# Allegro board 6089-103-RevB_76.brd (continued)
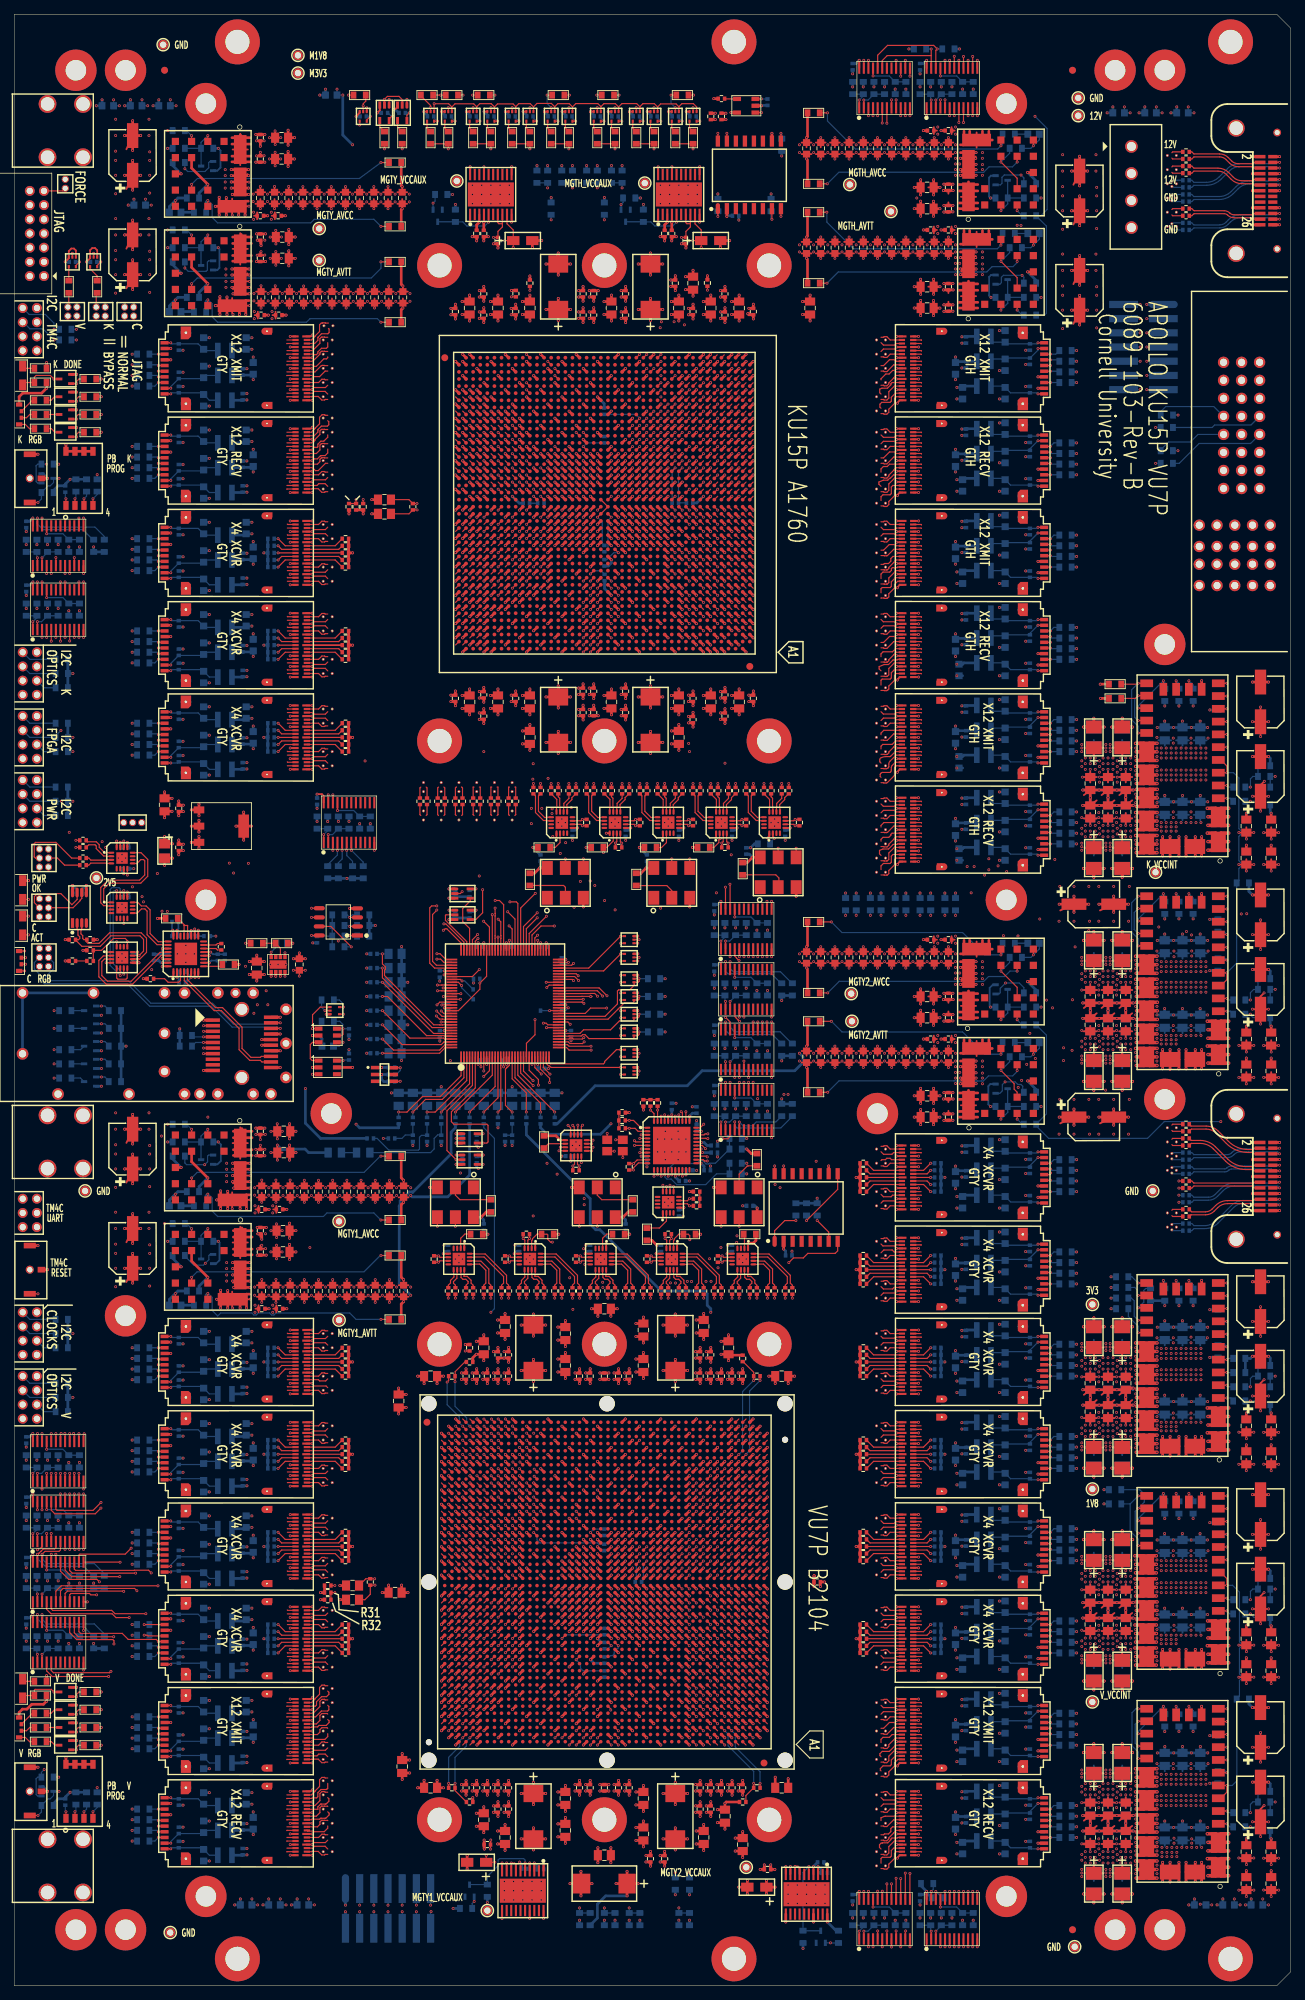
[diagram p0: board, top side]
## Placement (name value [footprint] x y rotation side) (continued)
C684  0.1 UF  [CAPC_EIA0402]  134.2 88.4 270 bottom
C685  0.1 UF  [CAPC_EIA0402]  134.2 78.9 270 bottom
C686  0.1 UF  [CAPC_EIA0402]  134.2 75.4 270 bottom
C687  0.1 UF  [CAPC_EIA0402]  134.2 65.9 270 bottom
C688  0.1 UF  [CAPC_EIA0402]  134.2 62.4 270 bottom
C689  0.1 UF  [CAPC_EIA0402]  134.2 52.9 270 bottom
C690  0.1 UF  [CAPC_EIA0402]  134.2 49.4 270 bottom
C691  0.1 UF  [CAPC_EIA0402]  134.2 39.9 270 bottom
C692  0.1 UF  [CAPC_EIA0402]  134.2 36.4 270 bottom
C693  0.1 UF  [CAPC_EIA0402]  134.2 26.9 270 bottom
C694  0.1 UF  [CAPC_EIA0402]  134.2 23.4 270 bottom
C695  22 UF  [CAPC_EIA0603]  133.7 224.4 270 bottom
C696  22 UF  [CAPC_EIA0603]  133.7 211.4 270 bottom
C697  22 UF  [CAPC_EIA0603]  133.7 198.4 270 bottom
C698  22 UF  [CAPC_EIA0603]  133.7 110.4 270 bottom
C699  22 UF  [CAPC_EIA0603]  133.7 97.4 270 bottom
C700  22 UF  [CAPC_EIA0603]  133.7 84.4 270 bottom
C701  22 UF  [CAPC_EIA0603]  133.7 71.4 270 bottom
C702  22 UF  [CAPC_EIA0603]  133.7 58.4 270 bottom
C703  22 UF  [CAPC_EIA0603]  133.7 45.4 270 bottom
C704  22 UF  [CAPC_EIA0603]  133.7 32.4 270 bottom
C705  22 UF  [CAPC_EIA0603]  133.7 19.4 270 bottom
C706  22 UF  [CAPC_EIA0603]  133.2 185.4 270 bottom
C707  22 UF  [CAPC_EIA0603]  133.2 172.4 270 bottom
C708  22 UF  [CAPC_EIA0603]  133.2 159.4 270 bottom
C709  22 UF  [CAPC_EIA0603]  132.7 227.9 270 bottom
C710  22 UF  [CAPC_EIA0603]  132.7 214.9 270 bottom
C711  22 UF  [CAPC_EIA0603]  132.7 201.9 270 bottom
C712  22 UF  [CAPC_EIA0603]  132.7 188.9 270 bottom
C713  22 UF  [CAPC_EIA0603]  132.7 175.9 270 bottom
C714  22 UF  [CAPC_EIA0603]  132.7 162.9 270 bottom
C715  22 UF  [CAPC_EIA0603]  132.7 113.9 270 bottom
C716  22 UF  [CAPC_EIA0603]  132.7 100.9 270 bottom
C717  22 UF  [CAPC_EIA0603]  132.7 87.9 270 bottom
C718  22 UF  [CAPC_EIA0603]  132.7 74.9 270 bottom
C719  22 UF  [CAPC_EIA0603]  132.7 61.9 270 bottom
C720  22 UF  [CAPC_EIA0603]  132.7 48.9 270 bottom
C721  22 UF  [CAPC_EIA0603]  132.7 35.9 270 bottom
C722  22 UF  [CAPC_EIA0603]  132.7 22.9 270 bottom
C723  0.1 UF  [CAPC_EIA0402]  127.7 270.4 270 bottom
C724  0.1 UF  [CAPC_EIA0402]  127.7 12.4 270 bottom
C725  0.1 UF  [CAPC_EIA0402]  118.2 270.4 270 bottom
C726  0.1 UF  [CAPC_EIA0402]  118.2 12.4 270 bottom
C727  4.7 UF  [CAPC_EIA0402]  114.2 15.9 0 bottom
C728  0.1 UF  [CAPC_EIA0402]  113.7 17.4 0 bottom
C729  0.1 UF  [CAPC_EIA0402]  109.2 102.9 0 bottom
C730  1 UF  [CAPC_EIA0402]  108.7 162.4 270 bottom
C731  4.7 UF  [CAPC_EIA0402]  106.2 265.4 270 bottom
C732  0.1 UF  [CAPC_EIA0402]  104.7 265.4 270 bottom
C733  0.1 UF  [CAPC_EIA0402]  103.7 109.9 180 bottom
C734  0.1 UF  [CAPC_EIA0402]  103.2 159.9 90 bottom
C735  0.1 UF  [CAPC_EIA0402]  101.7 249.4 0 bottom
C736  1 UF  [CAPC_EIA0402]  101.2 162.4 270 bottom
C737  1 UF  [CAPC_EIA0402]  101.2 103.9 90 bottom
C738  0.1 UF  [CAPC_EIA0402]  98.7 151.9 270 bottom
C739  0.1 UF  [CAPC_EIA0402]  98.7 143.4 270 bottom
C740  0.1 UF  [CAPC_EIA0402]  98.7 134.9 270 bottom
C741  0.1 UF  [CAPC_EIA0402]  98.7 126.4 270 bottom
C742  1 UF  [CAPC_EIA0402]  98.7 118.4 0 bottom
C743  1 UF  [CAPC_EIA0402]  98.7 117.4 0 bottom
C744  1 UF  [CAPC_EIA0402]  97.7 114.9 0 bottom
C745  1 UF  [CAPC_EIA0402]  96.2 123.4 90 bottom
C746  1 UF  [CAPC_EIA0402]  96.2 120.9 90 bottom
C747  0.1 UF  [CAPC_EIA0402]  95.7 263.4 180 bottom
C748  1 UF  [CAPC_EIA0402]  95.2 114.9 0 bottom
C749  1 UF  [CAPC_EIA0402]  94.2 113.4 0 bottom
C750  1 UF  [CAPC_EIA0402]  93.7 162.4 270 bottom
C751  1 UF  [CAPC_EIA0402]  93.7 108.9 270 bottom
C752  0.1 UF  [CAPC_EIA0402]  93.2 263.4 180 bottom
C753  1 UF  [CAPC_EIA0402]  92.7 123.9 90 bottom
C754  1 UF  [CAPC_EIA0402]  91.2 103.9 90 bottom
C755  0.1 UF  [CAPC_EIA0402]  90.2 263.4 180 bottom
C756  0.1 UF  [CAPC_EIA0402]  89.2 158.9 90 bottom
C757  1 UF  [CAPC_EIA0402]  89.2 116.4 270 bottom
C758  0.1 UF  [CAPC_EIA0402]  87.7 263.4 180 bottom
C759  1 UF  [CAPC_EIA0402]  86.2 162.4 270 bottom
C760  0.1 UF  [CAPC_EIA0402]  86.2 106.9 270 bottom
C761  0.1 UF  [CAPC_EIA0402]  84.7 263.4 180 bottom
C762  0.1 UF  [CAPC_EIA0402]  82.2 263.4 180 bottom
C763  1 UF  [CAPC_EIA0402]  81.2 103.9 90 bottom
C764  1 UF  [CAPC_EIA0402]  78.7 162.4 270 bottom
C765  0.1 UF  [CAPC_EIA0402]  78.5 134.16 270 bottom
C766  0.1 UF  [CAPC_EIA0402]  78.2 263.4 180 bottom
C767  1 UF  [CAPC_EIA0402]  78.2 116.9 180 bottom
C768  0.1 UF  [CAPC_EIA0402]  77.2 144.4 90 bottom
C769  0.1 UF  [CAPC_EIA0402]  77.2 137.9 90 bottom
C770  0.1 UF  [CAPC_EIA0805]  76.2 124.9 90 bottom
C771  0.1 UF  [CAPC_EIA0402]  75.7 263.4 180 bottom
C772  0.1 UF  [CAPC_EIA0402]  74.7 146.4 0 bottom
C773  0.1 UF  [CAPC_EIA0402]  74.3 129.24 0 bottom
C774  0.1 UF  [CAPC_EIA0402]  74.2 158.9 90 bottom
C775  0.1 UF  [CAPC_EIA0805]  74.2 124.9 90 bottom
C776  4.7 UF  [CAPC_EIA0402]  74.2 16.4 0 bottom
C777  0.1 UF  [CAPC_EIA0402]  72 16.5 180 bottom
C778  0.1 UF  [CAPC_EIA0402]  72.7 263.4 180 bottom
C779  0.1 UF  [CAPC_EIA0805]  72.2 124.9 90 bottom
C780  1 UF  [CAPC_EIA0402]  71.2 103.9 90 bottom
C781  0.1 UF  [CAPC_EIA0402]  70.2 263.4 180 bottom
C782  0.1 UF  [CAPC_EIA0805]  70.2 124.9 90 bottom
C783  0.1 UF  [CAPC_EIA0402]  69.7 146.4 180 bottom
C784  0.1 UF  [CAPC_EIA0402]  69.2 130.4 0 bottom
C785  0.1 UF  [CAPC_EIA0805]  68.2 124.9 90 bottom
C786  0.1 UF  [CAPC_EIA0402]  67.2 263.4 180 bottom
C787  0.1 UF  [CAPC_EIA0402]  66.2 130.4 0 bottom
C788  0.1 UF  [CAPC_EIA0805]  66.2 124.9 90 bottom
C789  0.1 UF  [CAPC_EIA0402]  66.2 106.9 270 bottom
C790  0.1 UF  [CAPC_EIA0402]  65.7 146.4 0 bottom
C791  3.3 UF  [CAPC_EIA0402]  65.2 141.9 180 bottom
C792  0.1 UF  [CAPC_EIA0402]  65.2 119.4 270 bottom
C793  0.1 UF  [CAPC_EIA0402]  65.2 116.4 270 bottom
C794  0.1 UF  [CAPC_EIA0402]  64.7 263.4 180 bottom
C795  0.1 UF  [CAPC_EIA0402]  64.2 153.9 270 bottom
C796  0.1 UF  [CAPC_EIA0402]  64.2 150.9 270 bottom
C797  0.1 UF  [CAPC_EIA0805]  64.2 124.9 90 bottom
C798  0.1 UF  [CAPC_EIA0402]  63.2 119.4 270 bottom
C799  0.1 UF  [CAPC_EIA0402]  63.2 116.4 270 bottom
C800  0.1 UF  [CAPC_EIA0402]  62.2 153.9 270 bottom
C801  0.1 UF  [CAPC_EIA0402]  62.2 150.9 270 bottom
C802  0.1 UF  [CAPC_EIA0805]  62.2 124.9 90 bottom
C803  0.1 UF  [CAPC_EIA0402]  61.2 263.4 180 bottom
C804  0.1 UF  [CAPC_EIA0402]  61.2 137.9 270 bottom
C805  1 UF  [CAPC_EIA0402]  61.2 103.9 90 bottom
C806  0.1 UF  [CAPC_EIA0805]  60.2 124.9 90 bottom
C807  0.1 UF  [CAPC_EIA0402]  60.01 134.12 270 bottom
C808  0.1 UF  [CAPC_EIA0402]  59.98 142.56 270 bottom
C809  0.1 UF  [CAPC_EIA0402]  58.7 263.4 180 bottom
C810  0.1 UF  [CAPC_EIA0805]  58.2 124.9 90 bottom
C811  0.1 UF  [CAPC_EIA0805]  56.2 124.9 90 bottom
C812  0.1 UF  [CAPC_EIA0402]  54.7 263.9 180 bottom
C813  0.1 UF  [CAPC_EIA0805]  54.2 124.9 90 bottom
C814  0.1 UF  [CAPC_EIA0805]  53.7 145.4 0 bottom
C815  0.1 UF  [CAPC_EIA0805]  53.7 143.4 0 bottom
C816  0.1 UF  [CAPC_EIA0805]  53.7 141.4 0 bottom
C817  0.1 UF  [CAPC_EIA0805]  53.7 139.4 0 bottom
C818  0.1 UF  [CAPC_EIA0805]  53.7 137.4 0 bottom
C819  0.1 UF  [CAPC_EIA0805]  53.7 135.4 0 bottom
C820  0.1 UF  [CAPC_EIA0805]  53.7 133.4 0 bottom
C821  0.1 UF  [CAPC_EIA0805]  53.7 131.4 0 bottom
C822  1 UF  [CAPC_EIA0402]  53.2 129.4 180 bottom
C823  0.1 UF  [CAPC_EIA0402]  53.2 128.4 180 bottom
C824  0.1 UF  [CAPC_EIA0402]  53.2 127.4 180 bottom
C825  0.1 UF  [CAPC_EIA0402]  52.2 263.9 180 bottom
C826  0.1 UF  [CAPC_EIA0402]  49.2 263.4 180 bottom
C827  0.1 UF  [CAPC_EIA0402]  47.2 134.4 270 bottom
C828  0.1 UF  [CAPC_EIA0402]  47.2 130.9 90 bottom
C829  22 UF  [CAPC_EIA0603]  44.7 266.4 180 bottom
C830  TBD  [CAPC_EIA0603]  44.2 132.4 180 bottom
C831  0.1 UF  [CAPC_EIA0402]  42.7 166.9 270 bottom
C832  0.1 UF  [CAPC_EIA0402]  42.7 147.4 270 bottom
C833  22 UF  [CAPC_EIA0603]  40.7 11.4 180 bottom
C834  3.3 NF  [CAPC_EIA0603]  37.7 146.9 0 bottom
C835  22 UF  [CAPC_EIA0603]  36.7 11.4 180 bottom
C836  22 UF  [CAPC_EIA0603]  33.7 227.9 90 bottom
C837  22 UF  [CAPC_EIA0603]  33.7 214.9 90 bottom
C838  22 UF  [CAPC_EIA0603]  33.7 201.9 90 bottom
C839  22 UF  [CAPC_EIA0603]  33.7 188.9 90 bottom
C840  22 UF  [CAPC_EIA0603]  33.7 175.9 90 bottom
C841  22 UF  [CAPC_EIA0603]  33.7 87.9 90 bottom
C842  22 UF  [CAPC_EIA0603]  33.7 74.9 90 bottom
C843  22 UF  [CAPC_EIA0603]  33.7 61.9 90 bottom
C844  22 UF  [CAPC_EIA0603]  33.7 48.9 90 bottom
C845  22 UF  [CAPC_EIA0603]  33.7 35.9 90 bottom
C846  22 UF  [CAPC_EIA0603]  33.7 22.9 90 bottom
C847  22 UF  [CAPC_EIA0603]  32.7 231.4 90 bottom
C848  22 UF  [CAPC_EIA0603]  32.7 218.4 90 bottom
C849  22 UF  [CAPC_EIA0603]  32.7 205.4 90 bottom
C850  22 UF  [CAPC_EIA0603]  32.7 192.4 90 bottom
C851  22 UF  [CAPC_EIA0603]  32.7 179.4 90 bottom
C852  22 UF  [CAPC_EIA0603]  32.7 91.4 90 bottom
C853  22 UF  [CAPC_EIA0603]  32.7 78.4 90 bottom
C854  22 UF  [CAPC_EIA0603]  32.7 65.4 90 bottom
C855  22 UF  [CAPC_EIA0603]  32.7 52.4 90 bottom
C856  22 UF  [CAPC_EIA0603]  32.7 39.4 90 bottom
C857  22 UF  [CAPC_EIA0603]  32.7 26.4 90 bottom
C858  22 UF  [CAPC_EIA0603]  32.7 11.4 180 bottom
C859  0.1 UF  [CAPC_EIA0402]  32.2 227.4 90 bottom
C860  0.1 UF  [CAPC_EIA0402]  32.2 223.9 90 bottom
C861  0.1 UF  [CAPC_EIA0402]  32.2 214.4 90 bottom
C862  0.1 UF  [CAPC_EIA0402]  32.2 210.9 90 bottom
C863  0.1 UF  [CAPC_EIA0402]  32.2 201.4 90 bottom
C864  0.1 UF  [CAPC_EIA0402]  32.2 197.9 90 bottom
C865  0.1 UF  [CAPC_EIA0402]  32.2 188.4 90 bottom
C866  0.1 UF  [CAPC_EIA0402]  32.2 184.9 90 bottom
C867  0.1 UF  [CAPC_EIA0402]  32.2 175.4 90 bottom
C868  0.1 UF  [CAPC_EIA0402]  32.2 171.9 90 bottom
C869  0.1 UF  [CAPC_EIA0402]  32.2 87.4 90 bottom
C870  0.1 UF  [CAPC_EIA0402]  32.2 83.9 90 bottom
C871  0.1 UF  [CAPC_EIA0402]  32.2 74.4 90 bottom
C872  0.1 UF  [CAPC_EIA0402]  32.2 70.9 90 bottom
C873  0.1 UF  [CAPC_EIA0402]  32.2 61.4 90 bottom
C874  0.1 UF  [CAPC_EIA0402]  32.2 57.9 90 bottom
C875  0.1 UF  [CAPC_EIA0402]  32.2 48.4 90 bottom
C876  0.1 UF  [CAPC_EIA0402]  32.2 44.9 90 bottom
C877  0.1 UF  [CAPC_EIA0402]  32.2 35.4 90 bottom
C878  0.1 UF  [CAPC_EIA0402]  32.2 31.9 90 bottom
C879  0.1 UF  [CAPC_EIA0402]  32.2 22.4 90 bottom
C880  0.1 UF  [CAPC_EIA0402]  32.2 18.9 90 bottom
C881  0.1 UF  [CAPC_EIA0402]  29.7 144.9 90 bottom
C882  1 NF  [CAPC_EIA0402]  28.7 144.9 90 bottom
C883  0.1 UF  [CAPC_EIA0402]  27.2 147.9 0 bottom
C884  22 UF  [CAPC_EIA0603]  26.7 231.4 90 bottom
C885  22 UF  [CAPC_EIA0603]  26.7 227.4 90 bottom
C886  22 UF  [CAPC_EIA0603]  26.7 223.4 270 bottom
C887  22 UF  [CAPC_EIA0603]  26.7 218.4 90 bottom
C888  22 UF  [CAPC_EIA0603]  26.7 214.4 90 bottom
C889  22 UF  [CAPC_EIA0603]  26.7 210.4 270 bottom
C890  22 UF  [CAPC_EIA0603]  26.7 205.4 90 bottom
C891  22 UF  [CAPC_EIA0603]  26.7 201.4 90 bottom
C892  22 UF  [CAPC_EIA0603]  26.7 197.4 270 bottom
C893  22 UF  [CAPC_EIA0603]  26.7 192.4 90 bottom
C894  22 UF  [CAPC_EIA0603]  26.7 188.4 90 bottom
C895  22 UF  [CAPC_EIA0603]  26.7 184.4 270 bottom
C896  22 UF  [CAPC_EIA0603]  26.7 179.4 90 bottom
C897  22 UF  [CAPC_EIA0603]  26.7 175.4 90 bottom
C898  22 UF  [CAPC_EIA0603]  26.7 171.4 270 bottom
C899  22 UF  [CAPC_EIA0603]  26.7 91.4 90 bottom
C900  22 UF  [CAPC_EIA0603]  26.7 87.4 90 bottom
C901  22 UF  [CAPC_EIA0603]  26.7 83.4 270 bottom
C902  22 UF  [CAPC_EIA0603]  26.7 78.4 90 bottom
C903  22 UF  [CAPC_EIA0603]  26.7 74.4 90 bottom
C904  22 UF  [CAPC_EIA0603]  26.7 70.4 270 bottom
C905  22 UF  [CAPC_EIA0603]  26.7 65.4 90 bottom
C906  22 UF  [CAPC_EIA0603]  26.7 61.4 90 bottom
C907  22 UF  [CAPC_EIA0603]  26.7 57.4 270 bottom
C908  22 UF  [CAPC_EIA0603]  26.7 52.4 90 bottom
C909  22 UF  [CAPC_EIA0603]  26.7 48.4 90 bottom
C910  22 UF  [CAPC_EIA0603]  26.7 44.4 270 bottom
C911  22 UF  [CAPC_EIA0603]  26.7 39.4 90 bottom
C912  22 UF  [CAPC_EIA0603]  26.7 35.4 90 bottom
C913  22 UF  [CAPC_EIA0603]  26.7 31.4 270 bottom
C914  22 UF  [CAPC_EIA0603]  26.7 26.4 90 bottom
C915  22 UF  [CAPC_EIA0603]  26.7 22.4 90 bottom
C916  22 UF  [CAPC_EIA0603]  26.7 18.4 270 bottom
C917  1 NF  [CAPC_EIA0402]  25.2 147.9 180 bottom
C918  1 NF  [CAPC_EIA0402]  23.7 142.9 0 bottom
C919  0.1 UF  [CAPC_EIA0402]  23.7 141.4 0 bottom
C920  0.1 UF  [CAPC_EIA0402]  23.2 230.9 270 bottom
C921  0.1 UF  [CAPC_EIA0402]  23.2 226.9 90 bottom
C922  0.1 UF  [CAPC_EIA0402]  23.2 224.9 90 bottom
C923  0.1 UF  [CAPC_EIA0402]  23.2 217.9 270 bottom
C924  0.1 UF  [CAPC_EIA0402]  23.2 213.9 90 bottom
C925  0.1 UF  [CAPC_EIA0402]  23.2 211.9 90 bottom
C926  0.1 UF  [CAPC_EIA0402]  23.2 204.9 270 bottom
C927  0.1 UF  [CAPC_EIA0402]  23.2 200.9 90 bottom
C928  0.1 UF  [CAPC_EIA0402]  23.2 198.9 90 bottom
C929  0.1 UF  [CAPC_EIA0402]  23.2 191.9 270 bottom
C930  0.1 UF  [CAPC_EIA0402]  23.2 187.9 90 bottom
C931  0.1 UF  [CAPC_EIA0402]  23.2 185.9 90 bottom
C932  0.1 UF  [CAPC_EIA0402]  23.2 178.9 270 bottom
C933  0.1 UF  [CAPC_EIA0402]  23.2 174.9 90 bottom
C934  0.1 UF  [CAPC_EIA0402]  23.2 172.9 90 bottom
C935  0.1 UF  [CAPC_EIA0402]  23.2 90.9 270 bottom
C936  0.1 UF  [CAPC_EIA0402]  23.2 86.9 90 bottom
C937  0.1 UF  [CAPC_EIA0402]  23.2 84.9 90 bottom
C938  0.1 UF  [CAPC_EIA0402]  23.2 77.9 270 bottom
C939  0.1 UF  [CAPC_EIA0402]  23.2 73.9 90 bottom
C940  0.1 UF  [CAPC_EIA0402]  23.2 71.9 90 bottom
C941  0.1 UF  [CAPC_EIA0402]  23.2 64.9 270 bottom
C942  0.1 UF  [CAPC_EIA0402]  23.2 60.9 90 bottom
C943  0.1 UF  [CAPC_EIA0402]  23.2 58.9 90 bottom
C944  0.1 UF  [CAPC_EIA0402]  23.2 51.9 270 bottom
C945  0.1 UF  [CAPC_EIA0402]  23.2 47.9 90 bottom
C946  0.1 UF  [CAPC_EIA0402]  23.2 45.9 90 bottom
C947  0.1 UF  [CAPC_EIA0402]  23.2 38.9 270 bottom
C948  0.1 UF  [CAPC_EIA0402]  23.2 34.9 90 bottom
C949  0.1 UF  [CAPC_EIA0402]  23.2 32.9 90 bottom
C950  0.1 UF  [CAPC_EIA0402]  23.2 25.9 270 bottom
C951  0.1 UF  [CAPC_EIA0402]  23.2 21.9 90 bottom
C952  0.1 UF  [CAPC_EIA0402]  23.2 19.9 90 bottom
C953  820 PF  [CAPC_EIA0603]  22.7 249.9 180 bottom
C954  820 PF  [CAPC_EIA0603]  22.7 235.9 180 bottom
C955  0.1 UF  [CAPC_EIA0402]  22.7 149.9 0 bottom
C956  1 NF  [CAPC_EIA0402]  22.7 147.9 0 bottom
C957  820 PF  [CAPC_EIA0603]  22.7 109.9 180 bottom
C958  820 PF  [CAPC_EIA0603]  22.7 95.9 180 bottom
C959  1 NF  [CAPC_EIA0402]  21.7 144.9 90 bottom
C960  22 UF  [CAPC_EIA0603]  21.2 264.9 180 bottom
C961  0.1 UF  [CAPC_EIA0402]  19.7 144.9 90 bottom
C962  22 UF  [CAPC_EIA0603]  17.7 250.9 180 bottom
C963  22 UF  [CAPC_EIA0603]  17.2 264.9 180 bottom
C964  0.1 UF  [CAPC_EIA0402]  16.7 144.9 270 bottom
C965  0.1 UF  [CAPC_EIA0402]  15.7 160.4 0 bottom
C966  0.1 UF  [CAPC_EIA0402]  15.7 157.4 0 bottom
C967  0.1 UF  [CAPC_EIA0402]  15.7 153.4 0 bottom
C968  22 UF  [CAPC_EIA0603]  13.2 264.9 180 bottom
C969  0.1 UF  [CAPC_EIA0402]  11.2 242.9 180 bottom
C970  0.1 UF  [CAPC_EIA0402]  9.2 153.9 0 bottom
C971  0.1 UF  [CAPC_EIA0402]  8.2 242.9 180 bottom
C972  0.1 UF  [CAPC_EIA0402]  1.7 205.9 270 bottom
C973  0.1 UF  [CAPC_EIA0402]  1.7 196.9 270 bottom
C974  0.1 UF  [CAPC_EIA0402]  1.7 76.9 270 bottom
C975  0.1 UF  [CAPC_EIA0402]  1.7 68.4 270 bottom
C976  0.1 UF  [CAPC_EIA0402]  1.7 59.9 270 bottom
C977  0.1 UF  [CAPC_EIA0402]  1.7 51.4 270 bottom
D1  -  [LED_RGB_INS126T]  0.7 221.4 270 top
D2  -  [LED_RGB_INS126T]  0.7 144.4 270 top
D3  -  [LED_RGB_INS126T]  0.7 36.4 270 top
D4  LED GREEN  [LED_APA2106]  1.2 226.9 90 top
D5  LED GREEN  [LED_APA2106]  1.2 154.4 90 top
D6  LED GREEN  [LED_APA2106]  1.2 149.4 90 top
D7  LED GREEN  [LED_APA2106]  1.2 41.9 90 top
H1  DNI  [HOLE_M2P5_STANDOFF]  8.7 269.9 0 top
H2  DNI  [HOLE_M2P5_STANDOFF]  8.7 7.9 0 top
H3  DNI  [HOLE_M2P5_STANDOFF]  15.7 269.9 0 top
H4  DNI  [HOLE_M2P5_STANDOFF]  15.7 94.4 0 top
H5  DNI  [HOLE_M2P5_STANDOFF]  15.7 7.9 0 top
H6  DNI  [HOLE_M2P5_STANDOFF]  27.02 265.2 0 top
H7  DNI  [HOLE_M2P5_STANDOFF]  27.02 153 0 top
H8  DNI  [HOLE_M2P5_STANDOFF]  27.02 12.6 0 top
H9  DNI  [HOLE_M2P5_STANDOFF]  44.7 122.9 0 top
H10  DNI  [HOLE_M2P5_STANDOFF]  121.7 122.9 0 top
H11  DNI  [HOLE_M2P5_STANDOFF]  139.88 265.2 0 top
H12  DNI  [HOLE_M2P5_STANDOFF]  139.88 153 0 top
H13  DNI  [HOLE_M2P5_STANDOFF]  139.88 12.6 0 top
H14  DNI  [HOLE_M2P5_STANDOFF]  155.2 269.9 0 top
H15  DNI  [HOLE_M2P5_STANDOFF]  155.2 7.9 0 top
H16  DNI  [HOLE_M2P5_STANDOFF]  162.2 269.9 0 top
H17  DNI  [HOLE_M2P5_STANDOFF]  162.2 124.9 0 top
H18  DNI  [HOLE_M2P5_STANDOFF]  162.2 7.9 0 top
J1  CON_2X7_RA  [CON_2X7_2MM_RA_XILINX]  3.2 246.9 0 top
J2  JUMPER_4X2  [HEADER_2MM_2X4_RA]  2.2 233.4 0 top
J3  JUMPER_4X2  [HEADER_2MM_2X4_RA]  2.2 184.9 0 top
J4  JUMPER_4X2  [HEADER_2MM_2X4_RA]  2.2 175.9 0 top
J5  JUMPER_4X2  [HEADER_2MM_2X4_RA]  2.2 166.9 0 top
J6  CON6  [HEADER_2MM_2X3_RA]  2.2 108.9 0 top
J7  JUMPER_4X2  [HEADER_2MM_2X4_RA]  2.2 91.9 0 top
J8  JUMPER_4X2  [HEADER_2MM_2X4_RA]  2.2 82.9 0 top
J9  JUMPER_DIFF  [JUMPER_2X3_50MIL]  4.2 158.9 0 top
J10  JUMPER_DIFF  [JUMPER_2X3_50MIL]  4.2 151.9 0 top
J11  JUMPER_DIFF  [JUMPER_2X3_50MIL]  4.2 144.9 0 top
J12  JUMPER  [JUMPER_1X2_50MIL]  7.2 253.9 0 top
J13  JUMPER_2X2  [JUMPER_2X2_50MIL]  8.2 235.9 0 top
J14  JUMPER_2X2  [JUMPER_2X2_50MIL]  12.2 235.9 0 top
J15  JUMPER_2X2  [JUMPER_2X2_50MIL]  16.2 235.9 0 top
J16  JUMPER_3X1  [JUMPER_1X3_50MIL]  16.7 163.9 90 top
J17  CON4  [TB4]  157.5 253.45 0 top
J18  CON14A  [CONN_2MM_2X7_VERT]  159.2 230.9 180 bottom
J19  CON14A  [CONN_2MM_2X7_VERT]  52.7 10.9 270 bottom
L1  600 OHM  [IND_EIA0805]  47.7 56.4 0 top
L2  600 OHM  [IND_EIA0805]  47.7 54.4 0 top
L3  600 OHM  [IND_EIA0805]  52.2 209.4 0 top
L4  600 OHM  [IND_EIA0805]  52.2 207.4 0 top
L5  1.0 UH  [IND_1008]  136.7 232.4 90 bottom
L6  1.0 UH  [IND_1008]  136.7 228.9 90 bottom
L7  1.0 UH  [IND_1008]  136.7 225.4 90 bottom
L8  1.0 UH  [IND_1008]  136.7 219.4 90 bottom
L9  1.0 UH  [IND_1008]  136.7 215.9 90 bottom
L10  1.0 UH  [IND_1008]  136.7 212.4 90 bottom
L11  1.0 UH  [IND_1008]  136.7 206.4 90 bottom
L12  1.0 UH  [IND_1008]  136.7 202.9 90 bottom
L13  1.0 UH  [IND_1008]  136.7 199.4 90 bottom
L14  1.0 UH  [IND_1008]  136.7 193.4 90 bottom
L15  1.0 UH  [IND_1008]  136.7 189.9 90 bottom
L16  1.0 UH  [IND_1008]  136.7 186.4 90 bottom
L17  1.0 UH  [IND_1008]  136.7 180.4 90 bottom
L18  1.0 UH  [IND_1008]  136.7 176.9 90 bottom
L19  1.0 UH  [IND_1008]  136.7 173.4 90 bottom
L20  1.0 UH  [IND_1008]  136.7 167.4 90 bottom
L21  1.0 UH  [IND_1008]  136.7 163.9 90 bottom
L22  1.0 UH  [IND_1008]  136.7 160.4 90 bottom
L23  1.0 UH  [IND_1008]  136.7 118.4 90 bottom
L24  1.0 UH  [IND_1008]  136.7 114.9 90 bottom
L25  1.0 UH  [IND_1008]  136.7 111.4 90 bottom
L26  1.0 UH  [IND_1008]  136.7 105.4 90 bottom
L27  1.0 UH  [IND_1008]  136.7 101.9 90 bottom
L28  1.0 UH  [IND_1008]  136.7 98.4 90 bottom
L29  1.0 UH  [IND_1008]  136.7 92.4 90 bottom
L30  1.0 UH  [IND_1008]  136.7 88.9 90 bottom
L31  1.0 UH  [IND_1008]  136.7 85.4 90 bottom
L32  1.0 UH  [IND_1008]  136.7 79.4 90 bottom
L33  1.0 UH  [IND_1008]  136.7 75.9 90 bottom
L34  1.0 UH  [IND_1008]  136.7 72.4 90 bottom
L35  1.0 UH  [IND_1008]  136.7 66.4 90 bottom
L36  1.0 UH  [IND_1008]  136.7 62.9 90 bottom
L37  1.0 UH  [IND_1008]  136.7 59.4 90 bottom
L38  1.0 UH  [IND_1008]  136.7 53.4 90 bottom
L39  1.0 UH  [IND_1008]  136.7 49.9 90 bottom
L40  1.0 UH  [IND_1008]  136.7 46.4 90 bottom
L41  1.0 UH  [IND_1008]  136.7 40.4 90 bottom
L42  1.0 UH  [IND_1008]  136.7 36.9 90 bottom
L43  1.0 UH  [IND_1008]  136.7 33.4 90 bottom
L44  1.0 UH  [IND_1008]  136.7 27.4 90 bottom
L45  1.0 UH  [IND_1008]  136.7 23.9 90 bottom
L46  1.0 UH  [IND_1008]  136.7 20.4 90 bottom
L47  1.0 UH  [IND_1008]  29.7 230.4 270 bottom
L48  1.0 UH  [IND_1008]  29.7 226.9 270 bottom
L49  1.0 UH  [IND_1008]  29.7 223.4 270 bottom
L50  1.0 UH  [IND_1008]  29.7 217.4 270 bottom
L51  1.0 UH  [IND_1008]  29.7 213.9 270 bottom
L52  1.0 UH  [IND_1008]  29.7 210.4 270 bottom
L53  1.0 UH  [IND_1008]  29.7 204.4 270 bottom
L54  1.0 UH  [IND_1008]  29.7 200.9 270 bottom
L55  1.0 UH  [IND_1008]  29.7 197.4 270 bottom
L56  1.0 UH  [IND_1008]  29.7 191.4 270 bottom
L57  1.0 UH  [IND_1008]  29.7 187.9 270 bottom
L58  1.0 UH  [IND_1008]  29.7 184.4 270 bottom
L59  1.0 UH  [IND_1008]  29.7 178.4 270 bottom
L60  1.0 UH  [IND_1008]  29.7 174.9 270 bottom
L61  1.0 UH  [IND_1008]  29.7 171.4 270 bottom
L62  1.0 UH  [IND_1008]  29.7 90.4 270 bottom
L63  1.0 UH  [IND_1008]  29.7 86.9 270 bottom
L64  1.0 UH  [IND_1008]  29.7 83.4 270 bottom
L65  1.0 UH  [IND_1008]  29.7 77.4 270 bottom
L66  1.0 UH  [IND_1008]  29.7 73.9 270 bottom
L67  1.0 UH  [IND_1008]  29.7 70.4 270 bottom
L68  1.0 UH  [IND_1008]  29.7 64.4 270 bottom
L69  1.0 UH  [IND_1008]  29.7 60.9 270 bottom
L70  1.0 UH  [IND_1008]  29.7 57.4 270 bottom
L71  1.0 UH  [IND_1008]  29.7 51.4 270 bottom
L72  1.0 UH  [IND_1008]  29.7 47.9 270 bottom
L73  1.0 UH  [IND_1008]  29.7 44.4 270 bottom
L74  1.0 UH  [IND_1008]  29.7 38.4 270 bottom
L75  1.0 UH  [IND_1008]  29.7 34.9 270 bottom
L76  1.0 UH  [IND_1008]  29.7 31.4 270 bottom
L77  1.0 UH  [IND_1008]  29.7 25.4 270 bottom
L78  1.0 UH  [IND_1008]  29.7 21.9 270 bottom
L79  1.0 UH  [IND_1008]  29.7 18.4 270 bottom
NOREF  -  []  179.97 275.22 0 top
NOREF#2  -  [unnamed#2]  149.2 269.9 0 top
NOREF#3  -  []  177.2 -12.7 90 top
NOREF#4  -  []  -12.7 286.6 0 top
NOREF#5  -  [unnamed#2]  149.2 7.9 0 top
NOREF#6  -  []  0 277.38 0 top
NOREF#7  -  [unnamed#2]  21.2 269.9 0 top
NOREF#8  -  []  177.73 0 90 top
NOREF#9  -  []  -12.7 281.52 0 top
NOREF#10  -  []  177.58 277.8 90 top
NOREF#11  -  []  193.64 -12.7 90 top
NOREF#12  -  [unnamed#3]  162.2 189 0 top
NOREF#13  -  [unnamed#2]  21.2 269.9 180 bottom
NOREF#14  -  [unnamed#2]  149.2 7.9 180 bottom
NOREF#15  -  [unnamed#2]  149.2 269.9 180 bottom
P1  ET60T-D02-3-08-000  [ET60T-02-24-00-X-RT1-GP]  172.07 191.8 90 top
P2  ERM8-013-RA-2X13  [ERM8-013-01-S-D-RA]  172.27 244.1 270 top
P3  ERM8-013-RA-2X13  [ERM8-013-01-S-D-RA]  172.27 105.2 270 top
PM1  THRU_TestPoint  [TESTPT_C55H35]  45.8 107.7 0 top
PM2  THRU_TestPoint  [TESTPT_C55H35]  43 243.1 0 top
PM3  THRU_TestPoint  [TESTPT_C55H35]  45.8 93.8 0 top
PM4  THRU_TestPoint  [TESTPT_C55H35]  66.7 10.6 0 top
PM5  THRU_TestPoint  [TESTPT_C55H35]  152 40 0 top
PM6  THRU_TestPoint  [TESTPT_C55H35]  43 247.6 0 top
PM7  THRU_TestPoint  [TESTPT_C55H35]  62.4 254.3 0 top
PM8  THRU_TestPoint  [TESTPT_C55H35]  152 70 0 top
PM9  THRU_TestPoint  [TESTPT_C55H35]  160.9 156.9 0 top
PM10  THRU_TestPoint  [TESTPT_C55H35]  88.9 254 0 top
PM11  THRU_TestPoint  [TESTPT_C55H35]  117.8 253.8 0 top
PM12  THRU_TestPoint  [TESTPT_C55H35]  123.6 250 0 top
PM13  THRU_TestPoint  [TESTPT_C55H35]  150 263.5 0 top
PM14  THRU_TestPoint  [TESTPT_C55H35]  11.6 156.1 0 top
PM15  THRU_TestPoint  [TESTPT_C55H35]  40 269.5 0 top
PM16  THRU_TestPoint  [TESTPT_C55H35]  40 272 0 top
PM17  THRU_TestPoint  [TESTPT_C55H35]  152 96 0 top
PM18  THRU_TestPoint  [TESTPT_C55H35]  103.2 16.7 0 top
PM19  THRU_TestPoint  [TESTPT_C55H35]  118 139.8 0 top
PM20  THRU_TestPoint  [TESTPT_C55H35]  118.1 135.9 0 top
PM21  THRU_TestPoint  [TESTPT_C55H35]  21 273.5 0 top
PM22  THRU_TestPoint  [TESTPT_C55H35]  150 266 0 top
PM23  THRU_TestPoint  [TESTPT_C55H35]  149.5 5.5 0 top
PM24  THRU_TestPoint  [TESTPT_C55H35]  160.5 112 0 top
PM25  THRU_TestPoint  [TESTPT_C55H35]  10 112 0 top
PM26  THRU_TestPoint  [TESTPT_C55H35]  22 7.5 0 top
Q1  FET_N_1.8V  [RUF015N02_FET]  7.2 226.4 180 top
Q2  FET_N_1.8V  [RUF015N02_FET]  7.2 223.9 180 top
Q3  FET_N_1.8V  [RUF015N02_FET]  7.2 221.4 180 top
Q4  FET_N_1.8V  [RUF015N02_FET]  7.2 218.9 180 top
Q5  FET_N_1.8V  [RUF015N02_FET]  7.2 41.4 180 top
Q6  FET_N_1.8V  [RUF015N02_FET]  7.2 38.9 180 top
Q7  FET_N_1.8V  [RUF015N02_FET]  7.2 36.4 180 top
Q8  FET_N_1.8V  [RUF015N02_FET]  7.2 33.9 180 top
Q9  FET_N_1.8V  [RUF015N02_FET]  139.2 254.4 0 bottom
Q10  FET_N_1.8V  [RUF015N02_FET]  139.2 240.4 0 bottom
Q11  FET_N_1.8V  [RUF015N02_FET]  139.2 140.4 0 bottom
Q12  FET_N_1.8V  [RUF015N02_FET]  139.2 126.4 0 bottom
Q13  FET_N_1.8V  [RUF015N02_FET]  113.7 6.9 90 bottom
Q14  FET_N_1.8V  [RUF015N02_FET]  86.2 249.4 270 bottom
Q15  FET_N_1.8V  [RUF015N02_FET]  64.2 13.4 90 bottom
Q16  FET_N_1.8V  [RUF015N02_FET]  59.7 249.4 270 bottom
Q17  FET_N_1.8V  [RUF015N02_FET]  27.2 256.4 180 bottom
Q18  FET_N_1.8V  [RUF015N02_FET]  27.2 242.4 180 bottom
Q19  FET_N_1.8V  [RUF015N02_FET]  27.2 116.4 180 bottom
Q20  FET_N_1.8V  [RUF015N02_FET]  27.2 102.4 180 bottom
Q21  FET_N_1.8V  [RUF015N02_FET]  10.7 137.4 180 bottom
Q22  FET_N_1.8V  [RUF015N02_FET]  10.7 134.9 180 bottom
Q23  FET_N_1.8V  [RUF015N02_FET]  10.7 132.4 180 bottom
Q24  FET_N_1.8V  [RUF015N02_FET]  10.7 129.9 180 bottom
Q25  FET_N_1.8V  [RUF015N02_FET]  10.7 127.4 180 bottom
Q26  FET_N_1.8V  [RUF015N02_FET]  4.7 212.4 0 bottom
Q27  FET_N_1.8V  [RUF015N02_FET]  4.7 27.4 0 bottom
R1  150  [RESC_EIA0603]  3.7 227.9 0 top
R2  4.7K  [RESC_EIA0603]  3.7 225.9 180 top
R3  TBD  [RESC_EIA0603]  3.7 223.4 180 top
R4  TBD  [RESC_EIA0603]  3.7 221.4 180 top
R5  TBD  [RESC_EIA0603]  3.7 219.4 180 top
R6  150  [RESC_EIA0603]  3.7 42.9 0 top
R7  4.7K  [RESC_EIA0603]  3.7 40.9 180 top
R8  TBD  [RESC_EIA0603]  3.7 38.4 180 top
R9  TBD  [RESC_EIA0603]  3.7 36.4 180 top
R10  TBD  [RESC_EIA0603]  3.7 34.4 180 top
R11  33  [RESC_EIA0603]  7.7 239.4 270 top
R12  49.9  [RESC_EIA0402]  8.2 147.4 0 top